# Altium PCB STM32F767IGT6.PcbDoc (part 1 of 2) (continued)
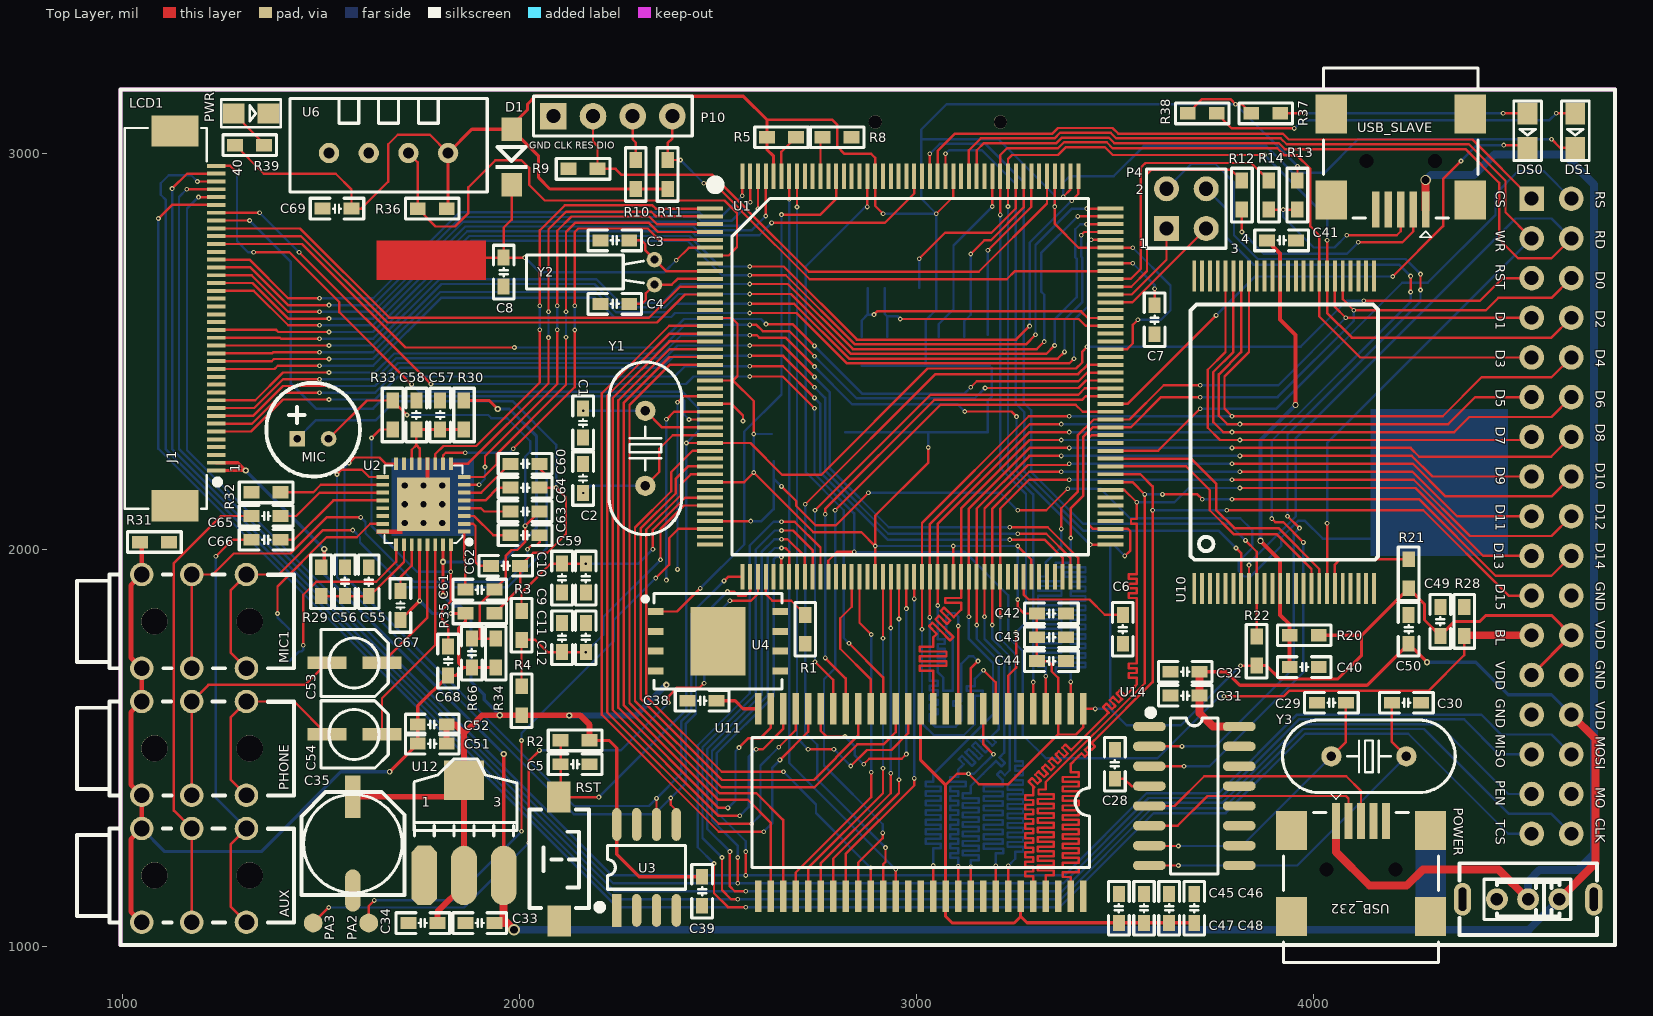
[diagram p0: Top Layer view]
## Part data (continued)
AUX MIC1 PHONE: library part PHONE_M
C1 C2 C3 C4 C5 C6 C7 C8 C9 C10 C11 C12 C13 C14 C15 C16 C17 C18 C19 C20 C21 C22 C23 C24 C25 C26 C27 C28 C29 C30 C31 C32 C33 C34 C36 C38 C39 C40 C41 C42 C43 C44 C45 C46 C47 C48 C49 C50 C51 C52 C55 C56 C57 C58 C59 C60 C61 C62 C63 C64 C65 C66 C67 C68 C69 R66: library part C
C35 C53 C54: library part CAP
D1: library part D
DS0 DS1 PWR: library part LED2, "Typical RED, GREEN, YELLOW, AMBER GaAs LED"
J1: library part FPC-40, "FPC-40P-0.5mm"
LCD1: library part TFT_LCD2
P4: library part "Header 2X2", "Header, 2-Pin, Dual row"
P10: "Header, 4-Pin"
PA2 PA3 SPK+ SPK-: library part TEST-POINT, "测试点"
POWER: "拨动开关SS-12F44"
R1 R2 R3 R4 R5 R8 R9 R10 R11 R12 R13 R14 R15 R16 R17 R18 R19 R20 R21 R22 R28 R29 R30 R31 R32 R33 R34 R35 R36 R37 R38 R39 R40: library part R
TF_CARD: "SD,MICRO,TF"
U1: library part STM32F429IGT6, "STM32F429IGT6"
U2: "24bit ADC&DAC"
U3: library part 24C256
U4: library part W25Q128, "W25Q128"
U6: library part DHT11, "数字温湿度传感器"
U10: library part K9F2G08U0C, "256MB NAND FLASH"
U11: library part IS42S16160B, "32MB SDRAM"
U12: library part AMS1117
U14: "USB2UART"
USB_232 USB_SLAVE: library part USB5
Y1 Y2 Y3: library part XTAL, "Crystal Oscillator"

## Via types
v1: diameter 12, hole 6, Top Layer to Bottom Layer, 318 vias
v2: diameter 16, hole 8, Top Layer to Bottom Layer, 10 vias
v3: diameter 27.56, hole 15.75, Top Layer to Bottom Layer, 9 vias
v4: diameter 16, hole 10, Top Layer to Bottom Layer, 2 vias
v5: diameter 26, hole 20, Top Layer to Bottom Layer, 1 vias
v6: diameter 30, hole 20, Top Layer to Bottom Layer, 1 vias
v7: diameter 14, hole 8, Top Layer to Bottom Layer, 1 vias

## Nets (pads, with @x,y where several pads share a name; then routed paths per layer and width w, separated by ;. In a path a pad name is that pad's centre, name@x,y a point inside that pad or via, vN(x,y) a via of type N, cw(c..) or ccw(c..) an arc to the next point about the centre after c; other vN are vias at no path point)
AGND: AUX.3 C51.2 C52.2 C67.1 C68.1 MIC1.3 PHONE.3 R31.2 R34.1 R35.1 R66.1 U2.28 | length 2670.1
  Top Layer w8: v7(1672.5,1441) C51.2@1743.5,1512 C52.2@1743.5,1560 1743.5,1607 C68.1@1820,1683.5 1838.5,1683.5 1858.5,1703.5 ; C67.1@1700,1823.5 v1(1748.16,1871.66) U2.28@1748.16,2012.59 ; v1(1827,1840) R35.1@1863.5,1840 1863.5,1819.5 1847,1803 1847,1715 1858.5,1703.5 ; R34.1@1940,1703.5 R66.1@1880,1703.5 1858.5,1703.5
  Top Layer w12: AUX.3@1048.11,1061.89 1021,1089 1021,1271 AUX.3@1048.11,1298.11 PHONE.3@1048.11,1381.89 1021,1409 1021,1591 PHONE.3@1048.11,1618.11 MIC1.3@1048.11,1701.89 1021,1729 1021,1911 MIC1.3@1048.11,1938.11 R31.2@1048.11,2015.39
  Bottom Layer w8: AUX.3@1048.11,1298.11 1106.22,1240 1349,1240 1550,1441 v7(1672.5,1441) ; v1(1748.16,1871.66) 1779.82,1840 v1(1827,1840)
BOOT0: R8.1 U1.166 | length 93.4
  Top Layer w6: U1.166@2758.17,2941.32 R8.1@2758.17,3034.67
CH340_RXD: P4.4 U14.3 | length 2322.5
  Top Layer w6: U14.3@3586.81,1455 v1(3674,1455) ; v1(3895,2079) 3904,2070 3924,2070 v1(3975,2019) ; v1(4245,2650) v1(4245,2690)
  Bottom Layer w6: v1(3674,1455) 3738,1455 3975,1692 v1(3975,2019) ; P4.4@3730,2910 3781,2859 3781,2787 3849,2719 4216,2719 v1(4245,2690) ; v1(3895,2079) 3895,2275 4245,2625 v1(4245,2650)
CH340_TXD: P4.2 U14.2 | length 2454.3
  Top Layer w6: U14.2@3586.81,1505 v1(3669,1505) ; v1(3935,2085) v1(3965,2055) ; v1(4270,2655) v1(4270,2695)
  Bottom Layer w6: P4.2@3630,2910 3693,2973 3753,2973 3800,2926 3800,2793 3860,2733 4232,2733 v1(4270,2695) ; v1(3669,1505) 3753,1505 3951,1703 3951,2041 v1(3965,2055) ; v1(3935,2085) 3935,2291 4270,2626 v1(4270,2655)
DHT11: R36.2 U1.7 U6.2 | length 1323.1
  Top Layer w6: U6.2@1720,3000 1743.5,2976.5 R36.2@1743.5,2860 1788.5,2815 1837,2815 1871,2849 1871,2914 1939,2982 2005,2982 2024,2963 2024,2920 2063.5,2880.5 2516.5,2880.5 2548,2849 2548,2763 2526.89,2741.89 U1.7@2480,2741.89
FMC_A0: U1.16 U11.23 | length 2039.6
  Top Layer w6: U1.16@2480,2564.72 2377.33,2564.72 2207,2394.39 2207,1585 2502,1290 v1(2615,1290) ; v1(2656,1471) 2727.09,1542.09 U11.23@2727.09,1600
  Bottom Layer w6: v1(2615,1290) 2637,1312 2637,1452 v1(2656,1471)
FMC_A1: U1.17 U11.24 | length 1937.7
  Top Layer w6: U1.17@2480,2545.04 2377.45,2545.04 2221,2388.59 2221,1590.8 2501.8,1310 v1(2585,1310) ; v1(2653,1503) 2695.59,1545.59 U11.24@2695.59,1600
  Bottom Layer w6: v1(2585,1310) 2607,1332 2607,1457 v1(2653,1503)
FMC_A2: U1.18 U11.25 | length 1845.8
  Top Layer w6: U1.18@2480,2525.35 2377.56,2525.35 2235,2382.79 2235,1596.6 2501.6,1330 v1(2555,1330) ; v1(2596,1498) 2613,1498 2664.09,1549.09 U11.25@2664.09,1600
  Bottom Layer w6: v1(2555,1330) 2577,1352 2577,1479 v1(2596,1498)
FMC_A3: U1.19 U11.26 | length 1751.6
  Top Layer w6: U1.19@2480,2505.67 2377.68,2505.67 2249,2376.99 2249,1602.4 2501.4,1350 v1(2525,1350) ; v1(2553,1502) 2577,1526 2607,1526 2632.6,1551.6 U11.26@2632.6,1600
  Bottom Layer w6: v1(2525,1350) 2544,1369 2544,1493 v1(2553,1502)
FMC_A4: U1.20 U11.29 | length 1705.1
  Top Layer w6: U1.20@2480,2485.98 2377.79,2485.98 2263,2371.2 2263,1608.2 2500.2,1371 2575,1371 2632.6,1313.4 U11.29@2632.6,1127.56
FMC_A5: U1.21 U11.30 | length 1697.5
  Top Layer w6: U1.21@2480,2466.3 2377.9,2466.3 2277,2365.4 2277,1613.99 2503.99,1387 2597,1387 2664.09,1319.91 U11.30@2664.09,1127.56
FMC_A6: U1.60 U11.31 | length 895.7
  Top Layer w6: U11.31@2695.59,1127.56 2695.59,1186.79 2886,1377.2 v1(2886,1440) ; U1.60@2856.59,1932.22 2856.59,1816.41 v1(2886,1787)
  Bottom Layer w6: v1(2886,1440) v1(2886,1787)
FMC_A7: U1.63 U11.32 | length 882.8
  Top Layer w6: U11.32@2727.09,1127.56 2727.09,1198.48 2915.65,1387.05 v1(2915.65,1450) ; v1(2915.65,1777.65) U1.63@2915.65,1932.22
  Bottom Layer w6: v1(2915.65,1450) v1(2915.65,1777.65)
FMC_A8: U1.64 U11.33 | length 877.9
  Top Layer w6: U11.33@2758.58,1127.56 2758.58,1210.18 2935.33,1386.93 v1(2935.33,1437.33) ; v1(2935.33,1803.33) U1.64@2935.33,1932.22
  Bottom Layer w6: v1(2935.33,1437.33) v1(2935.33,1803.33)
FMC_A9: U1.65 U11.34 | length 873.8
  Top Layer w6: U11.34@2790.08,1127.56 2790.08,1221.88 2956,1387.8 v1(2956,1421) ; U1.65@2955.02,1932.22 2956,1931.24 v1(2956,1826)
  Bottom Layer w6: v1(2956,1421) v1(2956,1826)
FMC_A10: U1.66 U11.22 | length 777.3
  Top Layer w6: U11.22@2758.58,1600 2758.58,1544.42 2773,1530 v1(2820,1530) ; v1(2867,1460) 2881,1474 2963,1474 v1(2974.7,1485.7) ; v1(2974.7,1852.3) U1.66@2974.7,1932.22
  Bottom Layer w6: v1(2820,1530) 2845,1505 2845,1482 v1(2867,1460) ; v1(2974.7,1485.7) v1(2974.7,1852.3)
FMC_A11: U1.67 U11.35 | length 876.2
  Top Layer w6: U11.35@2821.57,1127.56 2821.57,1233.57 2994.39,1406.39 v1(2994.39,1424.39) ; v1(2994.39,1876.61) U1.67@2994.39,1932.22
  Bottom Layer w6: v1(2994.39,1424.39) v1(2994.39,1876.61)
FMC_A12: U1.106 U11.36 | length 1882.6
  Top Layer w6: v1(2795,2100) 3061,2366 3401,2366 3418.81,2348.19 U1.106@3489.09,2348.19 ; U11.36@2853.07,1127.56 2853.07,1212.07 2915,1274 v1(2915,1287)
  Bottom Layer w6: v1(2795,2100) 2795,1702 2767,1674 2767,1457 2915,1309 v1(2915,1287)
FMC_A16_CLE: U1.99 U10.16 | length 691.9
  Top Layer w6: U1.99@3489.09,2210.39 3679.61,2210.39 3739,2151 3739,2100 3799,2040 3907,2040 3995.27,1951.73 U10.16@3995.27,1903.07
FMC_A17_ALE: U1.100 U10.17 | length 728.7
  Top Layer w6: U1.100@3489.09,2230.08 3691.92,2230.08 3755,2167 3755,2100.97 3800.97,2055 3912,2055 4014.96,1952.04 U10.17@4014.96,1903.07
FMC_A18: LCD1.2 U1.101 | length 1512.2
  Top Layer w6: U1.101@3489.09,2249.76 3608.76,2249.76 v1(3715,2356)
  Bottom Layer w6: v1(3715,2356) 3907,2356 4224,2673 4288,2673 4459,2844 4459,2897 4516,2954 4581,2954 LCD1.2@4650,2885
FMC_BA0: U1.108 U11.20 | length 1361.3
  Top Layer w6: v1(2770,1728) 2821.57,1676.43 U11.20@2821.57,1600 ; v1(2770,2090) 2770,2103 3045,2378 3417,2378 3426.56,2387.56 U1.108@3489.09,2387.56
  Bottom Layer w6: v1(2770,1728) v1(2770,2090)
FMC_BA1: U1.109 U11.21 | length 1390.7
  Top Layer w6: v1(2744.5,1718.5) 2790.08,1672.92 U11.21@2790.08,1600 ; v1(2744.5,2100) 3035.5,2391 3407.94,2391 3424.18,2407.24 U1.109@3489.09,2407.24
  Bottom Layer w6: v1(2744.5,1718.5) v1(2744.5,2100)
FMC_CD: U1.27 U4.2 | length 522.9
  Top Layer w6: v1(2370,2329) 2389.19,2348.19 U1.27@2480,2348.19
  Bottom Layer w6: v1(2370,1924) v1(2370,2329)
FMC_CLK: U1.145
FMC_D0: LCD1.6 U1.104 U10.29 U11.2 | length 3210
  Top Layer w6: U11.2@3388.5,1600 v1(3388.5,1667.5) ; v1(3388.5,2030) 3388.5,2104.5 3420,2136 3420,2284.97 3443.85,2308.82 U1.104@3489.09,2308.82 3539.82,2308.82 3616,2385 v1(3715,2385) ; U10.29@4074.01,2690.47 4074.01,2631.99 v1(4102,2604) 4435,2604 4466,2635 4600,2635 LCD1.6@4650,2685
  Bottom Layer w6: v1(3388.5,1667.5) 3388.5,1692 3351.16,1692 3351.16,1704 3425.85,1704 3425.85,1716 3388.5,1716 3388.5,1728 3425.85,1728 3425.85,1740 3388.5,1740 3388.5,1752 3425.85,1752 3425.85,1764 3388.5,1764 3388.5,1776 3425.85,1776 3425.85,1788 3388.5,1788 3388.5,1800 3425.85,1800 3425.85,1812 3388.5,1812 3388.5,1824 3425.85,1824 3425.85,1836 3388.5,1836 3388.5,1848 3425.85,1848 3425.85,1860 3388.5,1860 3388.5,1872 3425.85,1872 3425.85,1884 3388.5,1884 3388.5,1896 3425.85,1896 3425.85,1908 3388.5,1908 3388.5,1920 3425.85,1920 3425.85,1932 3372.82,1932 3372.82,1944 3425.85,1944 3425.85,1956 3351.16,1956 3351.16,1968 3388.5,1968 v1(3388.5,2030) ; v1(3715,2385) 3910,2385 4102,2577 v1(4102,2604)
FMC_D1: LCD1.7 U1.105 U10.30 U11.4 | length 3210
  Top Layer w6: U11.4@3325.51,1600 v1(3325.51,1681.51) ; v1(3365,2053) 3365,2105 3406,2146 3406,2287.94 3446.56,2328.5 U1.105@3489.09,2328.5 3536.5,2328.5 3623,2415 v1(3715,2415) ; U10.30@4054.33,2690.47 4054.33,2612.47 v1(4081.8,2585) LCD1.7@4550,2585
  Bottom Layer w6: v1(3325.51,1681.51) 3325.51,1705 3306.15,1705 3306.15,1717 3365.38,1717 3365.38,1729 3306.15,1729 3306.15,1741 3365.38,1741 3365.38,1753 3306.15,1753 3306.15,1765 3365.38,1765 3365.38,1777 3306.15,1777 3306.15,1789 3365.38,1789 3365.38,1801 3306.15,1801 3306.15,1813 3365.38,1813 3365.38,1825 3306.15,1825 3306.15,1837 3365.38,1837 3365.38,1849 3306.15,1849 3306.15,1861 3365.38,1861 3365.38,1873 3306.15,1873 3306.15,1885 3365.38,1885 3365.38,1897 3306.15,1897 3306.15,1909 3365.38,1909 3365.38,1921 3306.15,1921 3306.15,1933 3325.51,1933 3325.51,1968.51 3365,2008 v1(3365,2053) ; v1(3715,2415) 3911.8,2415 v1(4081.8,2585)
FMC_D2: LCD1.8 U1.142 U10.31 U11.5 | length 3203
  Top Layer w6: v1(3230.61,2865.39) U1.142@3230.61,2941.32 3230.61,2984.61 3241,2995 3356.62,2995 3376.62,3015 3474.38,3015 3494.38,2995 v1(3877,2995) ; U11.5@3294.02,1600 v1(3294.02,1667.02) ; v1(4034.64,2780.36) U10.31@4034.64,2690.47 4034.64,2597.36 4097,2535 4600,2535 LCD1.8@4650,2585
  Bottom Layer w6: v1(3230.61,2865.39) 3230.61,2203.42 3294.02,2140.01 v1(3294.02,1667.02) ; v1(3877,2995) 4034.64,2837.36 v1(4034.64,2780.36)
FMC_D3: LCD1.9 U1.143 U10.32 U11.7 | length 3222.4
  Top Layer w6: v1(3210.93,2844.07) U1.143@3210.93,2941.32 3210.93,2994.93 3228,3012 3356.64,3012 3371.64,3027 3479.36,3027 3494.36,3012 3909,3012 3927,2994 3959,2994 3992,2961 3992,2816 4014.96,2793.04 U10.32@4014.96,2690.47 4014.96,2588.04 4118,2485 LCD1.9@4550,2485 ; U11.7@3231.02,1600 3231.02,1683.02 3251,1703 v1(3251,1792)
  Bottom Layer w6: v1(3210.93,2844.07) 3210.93,2206.13 3276,2141.06 3276,1817 v1(3251,1792)
FMC_D4: LCD1.10 U1.68 U10.41 U11.8 | length 3192.4
  Top Layer w6: v1(3014.07,1800) U1.68@3014.07,1932.22 3014.07,2068.07 3283,2337 v1(3385,2337) ; v1(3169,1697) 3199.53,1666.47 U11.8@3199.53,1600 ; U10.41@3837.79,2690.47 3837.79,2498.4 3776,2436.6 3776,2356 v1(3795,2337) 4326,2337 4424,2435 4600,2435 LCD1.10@4650,2485
  Bottom Layer w6: v1(3014.07,1800) 3014.07,1562.93 3044,1533 3119,1533 3147,1561 3147,1622 3147,1633 3167,1633 3167,1645 3147,1645 3127,1645 3127,1657 3147,1657 3147,1669 3147,1675 v1(3169,1697) ; v1(3385,2337) v1(3795,2337)
FMC_D5: LCD1.11 U1.69 U10.42 U11.10 | length 3195.8
  Top Layer w6: v1(3033.76,1830) U1.69@3033.76,1932.22 3033.76,2065.43 3285.33,2317 v1(3365,2317) ; U11.10@3136.54,1600 3136.54,1701.54 v1(3155,1720) ; U10.42@3818.11,2690.47 3818.11,2498.51 3762,2442.4 3762,2338 3783,2317 3795,2317 4340,2317 4408,2385 LCD1.11@4550,2385
  Bottom Layer w6: v1(3033.76,1830) 3033.76,1712 3033.76,1670.24 3053.21,1670.24 3053.21,1658.24 3033.76,1658.24 3033.76,1646.24 3053.21,1646.24 3053.21,1634.24 3033.76,1634.24 3033.76,1622.24 3053.21,1622.24 3053.21,1610.24 3033.76,1610.24 3033.76,1598.24 3053.21,1598.24 3053.21,1586.24 3033.76,1586.24 3033.76,1574.24 3033.76,1568.24 3047,1555 3099,1555 3113,1569 3113,1600 3113,1607 3093,1607 3093,1619 3113,1619 3113,1631 3113,1637 3113,1713 3132,1732 3143,1732 v1(3155,1720) ; v1(3365,2317) v1(3815,2317)
FMC_D6: LCD1.12 U1.70 U10.43 U11.11 | length 3193.8
  Top Layer w6: v1(3053.44,1860) U1.70@3053.44,1932.22 3053.44,2065.31 3285.13,2297 v1(3385,2297) ; U11.11@3105.04,1600 v1(3105.04,1808.4) ; U10.43@3798.42,2690.47 3798.42,2498.63 3748,2448.2 3748,2322.2 3773.2,2297 v1(3795,2297) 4355,2297 4393,2335 4600,2335 LCD1.12@4650,2385
  Bottom Layer w6: v1(3053.44,1860) 3053.44,1781 3053.44,1775 3071.07,1775 3071.07,1763 3053.44,1763 3053.44,1751 3071.07,1751 3071.07,1739 3053.44,1739 3053.44,1727 3071.07,1727 3071.07,1715 3053.44,1715 3053.44,1713 3053.44,1692.56 3068,1678 3068,1645 3091,1645 3091,1777 3075,1793 3075,1832 3084,1841 3096.08,1841 3105.04,1832.04 v1(3105.04,1808.4) ; v1(3385,2297) v1(3795,2297)
FMC_D7: LCD1.13 U1.73 U10.44 U11.13 | length 3210
  Top Layer w6: U11.13@3042.05,1600 3042.05,1670.24 3042.05,1696 3008.24,1696 3008.24,1708 3042.05,1708 3075.86,1708 3075.86,1720 3042.05,1720 3008.24,1720 3008.24,1732 3042.05,1732 3075.86,1732 3075.86,1744 3042.05,1744 3008.24,1744 3008.24,1756 3042.05,1756 3042.05,1768 3042.05,1774 3042.05,1779.05 3048.72,1785.72 3051.35,1788.35 3031.72,1807.97 3040.21,1816.46 3059.83,1796.83 3084.56,1772.11 3093.04,1780.59 3068.32,1805.32 3048.08,1825.55 3056.57,1834.03 3076.8,1813.8 3085.29,1822.29 3061.11,1846.46 3069.6,1854.94 3093.77,1830.77 3102.26,1839.26 3106.5,1843.5 3112.5,1849.5 3112.5,1856 3112.5,1867 3072.5,1867 3072.5,1879 3112.5,1879 3112.5,1891 3112.5,1897 U1.73@3112.5,1932.22 3112.5,2104.57 3284.93,2277 v1(3365,2277) ; U10.44@3778.74,2690.47 3778.74,2498.74 3734,2454 3734,2308 3765,2277 3795,2277 4542,2277 LCD1.13@4550,2285
  Bottom Layer w6: v1(3365,2277) v1(3815,2277)
FMC_D8: LCD1.14 U1.74 U11.42 | length 3210
  Top Layer w6: U11.42@3042.05,1127.56 v1(3042.05,1204.95) ; v1(3132.19,1831.63) U1.74@3132.19,1932.22 3132.19,2104.46 3284.73,2257 v1(3385,2257) ; v1(3795,2257) 4244.94,2257 4266.94,2235 4599,2235 4649,2285 LCD1.14@4650,2285
  Bottom Layer w6: v1(3042.05,1204.95) 3042.05,1227 3042.05,1248.05 3060.92,1248.05 3060.92,1260.05 3042.05,1260.05 3023.17,1260.05 3023.17,1272.05 3042.05,1272.05 3060.92,1272.05 3060.92,1284.05 3042.05,1284.05 3023.17,1284.05 3023.17,1296.05 3042.05,1296.05 3060.92,1296.05 3060.92,1308.05 3042.05,1308.05 3023.17,1308.05 3023.17,1320.05 3042.05,1320.05 3060.92,1320.05 3060.92,1332.05 3042.05,1332.05 3023.17,1332.05 3023.17,1344.05 3042.05,1344.05 3060.92,1344.05 3060.92,1356.05 3042.05,1356.05 3023.17,1356.05 3023.17,1368.05 3042.05,1368.05 3060.92,1368.05 3060.92,1380.05 3042.05,1380.05 3023.17,1380.05 3023.17,1392.05 3042.05,1392.05 3060.92,1392.05 3060.92,1404.05 3042.05,1404.05 3023.17,1404.05 3023.17,1416.05 3042.05,1416.05 3042.05,1428.05 ; v1(3132.19,1831.63) 3132.19,1775.62 3193,1714.8 3193,1585 3042.05,1434.05 ; v1(3385,2257) v1(3795,2257) ; 3042.05,1428.05 3042.05,1434.05 ; 3042.05,1428.05 3042.05,1434.05
FMC_D9: LCD1.15 U1.75 U11.44 | length 3210
  Top Layer w6: U11.44@3105.04,1127.56 v1(3105.04,1203.04) ; v1(3151.87,1810.87) U1.75@3151.87,1932.22 3151.87,2104.34 3284.53,2237 v1(3365,2237) ; v1(3815,2237) 4247.97,2237 4299.97,2185 LCD1.15@4550,2185
  Bottom Layer w6: v1(3105.04,1203.04) 3105.04,1217 3105.04,1224.04 3085.04,1224.04 3085.04,1236.04 3105.04,1236.04 3105.04,1248.04 3085.04,1248.04 3085.04,1260.04 3105.04,1260.04 3105.04,1272.04 3085.04,1272.04 3085.04,1284.04 3105.04,1284.04 3105.04,1296.04 3085.04,1296.04 3085.04,1308.04 3105.04,1308.04 3105.04,1320.04 3085.04,1320.04 3085.04,1332.04 3105.04,1332.04 3105.04,1344.04 3085.04,1344.04 3085.04,1356.04 3105.04,1356.04 3105.04,1368.04 3085.04,1368.04 3085.04,1380.04 3105.04,1380.04 3105.04,1392.04 3085.04,1392.04 3085.04,1404.04 3105.04,1404.04 3124.54,1404.04 3124.54,1416.04 3105.04,1416.04 3085.04,1416.04 3085.04,1428.04 3105.04,1428.04 3105.04,1440.04 ; v1(3151.87,1810.87) 3151.87,1775.73 3207,1720.6 3207,1548 3189.5,1530.5 3187.02,1528.02 3199.77,1515.27 3191.29,1506.79 3178.54,1519.54 3165.79,1532.29 3157.3,1523.8 3170.05,1511.05 3182.8,1498.3 3174.32,1489.82 3161.57,1502.57 3148.82,1515.32 3140.33,1506.83 3153.08,1494.08 3165.83,1481.33 3157.35,1472.84 3144.59,1485.59 3131.84,1498.35 3123.36,1489.86 3136.11,1477.11 3148.86,1464.36 3140.37,1455.87 3127.62,1468.62 3114.87,1481.37 3106.39,1472.89 3119.14,1460.14 3114.9,1455.9 3105.04,1446.04 ; v1(3365,2237) v1(3815,2237) ; 3105.04,1440.04 3105.04,1446.04 ; 3105.04,1440.04 3105.04,1446.04
FMC_D10: LCD1.16 U1.76 U11.45 | length 3210
  Top Layer w6: U11.45@3136.54,1127.56 v1(3136.54,1201.54) ; v1(3171.56,1831.63) U1.76@3171.56,1932.22 3171.56,2104.23 3281.33,2214 3382,2214 v1(3385,2217) ; v1(3795,2217) 4251,2217 4333,2135 4600,2135 LCD1.16@4650,2185
  Bottom Layer w6: v1(3136.54,1201.54) 3136.54,1213 3136.54,1218.54 3156.54,1218.54 3156.54,1230.54 3136.54,1230.54 3117.04,1230.54 3117.04,1242.54 3136.54,1242.54 3156.54,1242.54 3156.54,1254.54 3136.54,1254.54 3117.04,1254.54 3117.04,1266.54 3136.54,1266.54 3156.54,1266.54 3156.54,1278.54 3136.54,1278.54 3117.04,1278.54 3117.04,1290.54 3136.54,1290.54 3156.54,1290.54 3156.54,1302.54 3136.54,1302.54 3117.04,1302.54 3117.04,1314.54 3136.54,1314.54 3156.54,1314.54 3156.54,1326.54 3136.54,1326.54 3117.04,1326.54 3117.04,1338.54 3136.54,1338.54 3156.54,1338.54 3156.54,1350.54 3136.54,1350.54 3117.04,1350.54 3117.04,1362.54 3136.54,1362.54 3156.54,1362.54 3156.54,1374.54 3136.54,1374.54 3117.04,1374.54 3117.04,1386.54 3136.54,1386.54 3136.54,1398.54 ; v1(3171.56,1831.63) 3171.56,1775.85 3221,1726.4 3221,1489 3213.25,1481.25 3209,1477 3222.81,1463.2 3214.32,1454.71 3200.52,1468.52 3168,1436 3136.54,1404.54 ; v1(3385,2217) v1(3795,2217) ; 3136.54,1398.54 3136.54,1404.54 ; 3136.54,1398.54 3136.54,1404.54
FMC_D11: LCD1.17 U1.77 U11.47 | length 3169.4
  Top Layer w6: v1(3191.24,1810.87) U1.77@3191.24,1932.22 3191.24,2104.11 3284.13,2197 v1(3365,2197) ; U11.47@3199.53,1127.56 v1(3199.53,1204.47) ; v1(3815,2197) 4249.94,2197 4361.94,2085 LCD1.17@4550,2085
  Bottom Layer w6: v1(3191.24,1810.87) 3191.24,1775.96 3235,1732.2 3235,1445 3222.27,1432.27 3211.49,1443.05 3203,1434.57 3217,1420.57 3217,1405 3170,1405 3170,1391.53 3217.55,1391.53 3217.55,1379.53 3169.53,1379.53 3169.53,1367.53 3217.55,1367.53 3217.55,1355.53 3169.53,1355.53 3169.53,1343.53 3217.55,1343.53 3217.55,1331.53 3169.53,1331.53 3169.53,1319.53 3217.55,1319.53 3217.55,1307.53 3169.53,1307.53 3169.53,1295.53 3217.55,1295.53 3217.55,1283.53 3169.53,1283.53 3169.53,1271.53 3217.55,1271.53 3217.55,1259.53 3169.53,1259.53 3169.53,1247.53 3218.41,1247.53 3218.41,1235.53 3199.53,1235.53 v1(3199.53,1204.47) ; v1(3365,2197) v1(3815,2197)
FMC_D12: LCD1.18 U1.78 U11.48 | length 3210
  Top Layer w6: v1(3210.93,1831.63) U1.78@3210.93,1932.22 3210.93,2104 3283.93,2177 v1(3385,2177) ; U11.48@3231.02,1127.56 v1(3231.02,1204.02) ; v1(3795,2177) 4252.97,2177 4394.97,2035 4600,2035 LCD1.18@4650,2085
  Bottom Layer w6: v1(3210.93,1831.63) 3210.93,1776.07 3249,1738 3249,1561 3249,1468 3268.46,1468 3268.46,1456 3249,1456 3249,1444 3268.46,1444 3268.46,1432 3249,1432 3249,1420 3268.46,1420 3268.46,1408 3249,1408 3229.54,1408 3229.54,1396 3249,1396 3268.46,1396 3268.46,1384 3249,1384 3229.54,1384 3229.54,1372 3249,1372 3268.46,1372 3268.46,1360 3249,1360 3229.54,1360 3229.54,1348 3249,1348 3268.46,1348 3268.46,1336 3249,1336 3229.54,1336 3229.54,1324 3249,1324 3268.46,1324 3268.46,1312 3249,1312 3229.54,1312 3229.54,1300 3249,1300 3268.46,1300 3268.46,1288 3249,1288 3229.54,1288 3229.54,1276 3249,1276 3268.46,1276 3268.46,1264 3249,1264 3229.54,1264 3229.54,1252 3249,1252 3268.46,1252 3268.46,1240 3249,1240 3249,1228 3249,1222 v1(3231.02,1204.02) ; v1(3385,2177) v1(3795,2177)
FMC_D13: LCD1.19 U1.96 U11.50 | length 3210
  Top Layer w6: U11.50@3294.02,1127.56 3294.02,1174 3294.02,1177.96 3274.02,1177.96 3274.02,1189.96 3294.02,1189.96 3294.02,1201.96 3274.02,1201.96 3274.02,1213.96 3294.02,1213.96 3294.02,1225.96 3274.02,1225.96 3274.02,1237.96 3294.02,1237.96 3294.02,1249.96 3274.02,1249.96 3274.02,1261.96 3294.02,1261.96 3294.02,1273.96 3274.02,1273.96 3274.02,1285.96 3294.02,1285.96 3294.02,1297.96 3274.02,1297.96 3274.02,1309.96 3294.02,1309.96 3294.02,1321.96 3274.02,1321.96 3274.02,1333.96 3294.02,1333.96 3294.02,1345.96 3274.02,1345.96 3274.02,1357.96 3294.02,1357.96 3294.02,1369.96 3274.02,1369.96 3274.02,1381.96 3294.02,1381.96 3294.02,1393.96 3294.02,1399.96 3296.47,1402.41 3282.32,1416.55 3290.81,1425.03 3304.95,1410.89 3313.44,1419.38 3299.29,1433.52 3307.78,1442 3321.92,1427.86 3330.41,1436.35 3316.26,1450.49 3324.75,1458.97 3338.89,1444.83 3347.38,1453.32 3333.23,1467.46 3341.72,1475.95 3355.86,1461.8 3364.35,1470.29 3350.21,1484.43 3358.69,1492.92 3372.83,1478.77 3381.32,1487.26 3367.18,1501.4 3375.66,1509.89 3389.8,1495.74 3398.29,1504.23 3402.53,1508.47 3472.03,1577.97 3475.71,1581.65 3484.19,1590.13 3470.05,1604.27 3478.53,1612.76 3492.68,1598.62 3501.16,1607.1 3487.02,1621.24 3495.5,1629.73 3509.65,1615.59 3518.13,1624.07 3503.99,1638.21 3512.47,1646.7 3526.62,1632.56 3535.1,1641.04 3539.34,1645.29 3551.53,1657.47 ; U1.96@3489.09,2151.34 3523.66,2151.34 v1(3555,2120) 3555,2096 3555,2090 3555,2078 3540.65,2078 3540.65,2066 3555,2066 3555,2060 3555,1957 3555,1951 3555,1939 3535,1939 3535,1927 3555,1927 3555,1915 3535,1915 3535,1903 3555,1903 3555,1891 3535,1891 3535,1879 3555,1879 3555,1867 3555,1855 3555,1853 3555,1732 3555,1726 3555,1714 3535,1714 3535,1702 3555,1702 3555,1690 3535,1690 3535,1678 3555,1678 3555,1666 3555,1660.94 3550.76,1656.7 ; v1(3815,2156) 4257,2156 4428,1985 LCD1.19@4550,1985
  Bottom Layer w6: v1(3555,2120) 3650,2120 3686,2156 v1(3815,2156)
FMC_D14: LCD1.20 U1.97 U11.51 | length 3103.1
  Top Layer w6: U11.51@3325.51,1127.56 3325.51,1165 3325.51,1168.48 3325.51,1180.48 3345.51,1180.48 3345.51,1192.48 3325.51,1192.48 3306.01,1192.48 3306.01,1204.48 3325.51,1204.48 3345.51,1204.48 3345.51,1216.48 3325.51,1216.48 3306.01,1216.48 3306.01,1228.48 3325.51,1228.48 3345.51,1228.48 3345.51,1240.48 3325.51,1240.48 3306.01,1240.48 3306.01,1252.48 3325.51,1252.48 3345.51,1252.48 3345.51,1264.48 3325.51,1264.48 3306.01,1264.48 3306.01,1276.48 3325.51,1276.48 3345.51,1276.48 3345.51,1288.48 3325.51,1288.48 3306.01,1288.48 3306.01,1300.48 3325.51,1300.48 3345.51,1300.48 3345.51,1312.48 3325.51,1312.48 3306.01,1312.48 3306.01,1324.48 3325.51,1324.48 3345.51,1324.48 3345.51,1336.48 3325.51,1336.48 3306.01,1336.48 3306.01,1348.48 3325.51,1348.48 3345.51,1348.48 3345.51,1360.48 3325.51,1360.48 3306.01,1360.48 3306.01,1372.48 3325.51,1372.48 3345.51,1372.48 3345.51,1384.48 3325.51,1384.48 3307.51,1384.48 3307.51,1396.48 3325.51,1396.48 3325.51,1408.48 3325.51,1414.48 3575,1663.97 v1(3575,2140) 3543.98,2171.02 U1.97@3489.09,2171.02 ; v1(3620,2140) 3708,2140 v1(3720,2128) ; v1(3795,2128) 4265.97,2128 4458.97,1935 4600,1935 LCD1.20@4650,1985
  Bottom Layer w6: v1(3575,2140) v1(3620,2140) ; v1(3720,2128) v1(3795,2128)
FMC_D15: LCD1.21 U1.98 U11.53 | length 3210
  Top Layer w6: U11.53@3389,1127.56 3389,1168 3389,1176 3369,1176 3369,1188 3389,1188 3409,1188 3409,1200 3389,1200 3369,1200 3369,1212 3389,1212 3409,1212 3409,1224 3389,1224 3369,1224 3369,1236 3389,1236 3409,1236 3409,1248 3389,1248 3369,1248 3369,1260 3389,1260 3409,1260 3409,1272 3389,1272 3369,1272 3369,1284 3389,1284 3409,1284 3409,1296 3389,1296 3369,1296 3369,1308 3389,1308 3409,1308 3409,1320 3389,1320 3369,1320 3369,1332 3389,1332 3409,1332 3409,1344 3389,1344 3369,1344 3369,1356 3389,1356 3409,1356 3409,1368 3389,1368 3369,1368 3369,1380 3389,1380 3409,1380 3409,1392 3389,1392 3369,1392 3369,1404 3389,1404 3409,1404 3409,1416 3389,1416 3369,1416 3369,1428 3389,1428 3409,1428 3409,1440 3389,1440 3389,1446 3389,1461 3403.01,1475.01 3407.25,1479.25 3415.74,1487.74 3424.49,1478.98 3432.98,1487.47 3424.22,1496.22 3432.71,1504.71 3441.46,1495.95 3449.95,1504.44 3441.19,1513.19 3459.5,1531.5 3595,1667 v1(3595,2100) 3595,2160 3564.29,2190.71 U1.98@3489.09,2190.71 ; v1(3782,2100) 4277,2100 4492,1885 LCD1.21@4550,1885
  Bottom Layer w6: v1(3595,2100) v1(3782,2100)
FMC_INT2: J1.10 U1.110 | length 2427
  Top Layer w6: J1.10@1236,2377.17 1334.17,2377.17 1403.96,2446.96 v1(1520,2446.96) ; v1(2580,2567) 2597,2567 2613,2551 2680,2551 v1(2743,2488) ; v1(3173,2408) 3407.97,2408 3426.9,2426.93 U1.110@3489.09,2426.93
  Bottom Layer w6: v1(1520,2446.96) 1636.08,2446.96 1684.12,2495 2344.38,2495 2416.38,2567 v1(2580,2567) ; v1(2743,2488) 2849,2382 3147,2382 v1(3173,2408)